# Altium PCB BeagleBone_Black_RevB4.PcbDoc (part 5 of 5)
Units mil, origin at the board's own origin, x right, y up, seen from the top; angles counter-clockwise.
Board outline 3401 x 2151 mil, 6 copper layers (TOP, LYR2_GND, LYR3, LYR4, LYR5_PWR, BOTTOM), stack 62 mil thick; 381 components, 310 nets, 1705 pads, 850 vias.
Unrouted connection lines stored in the file: 3.
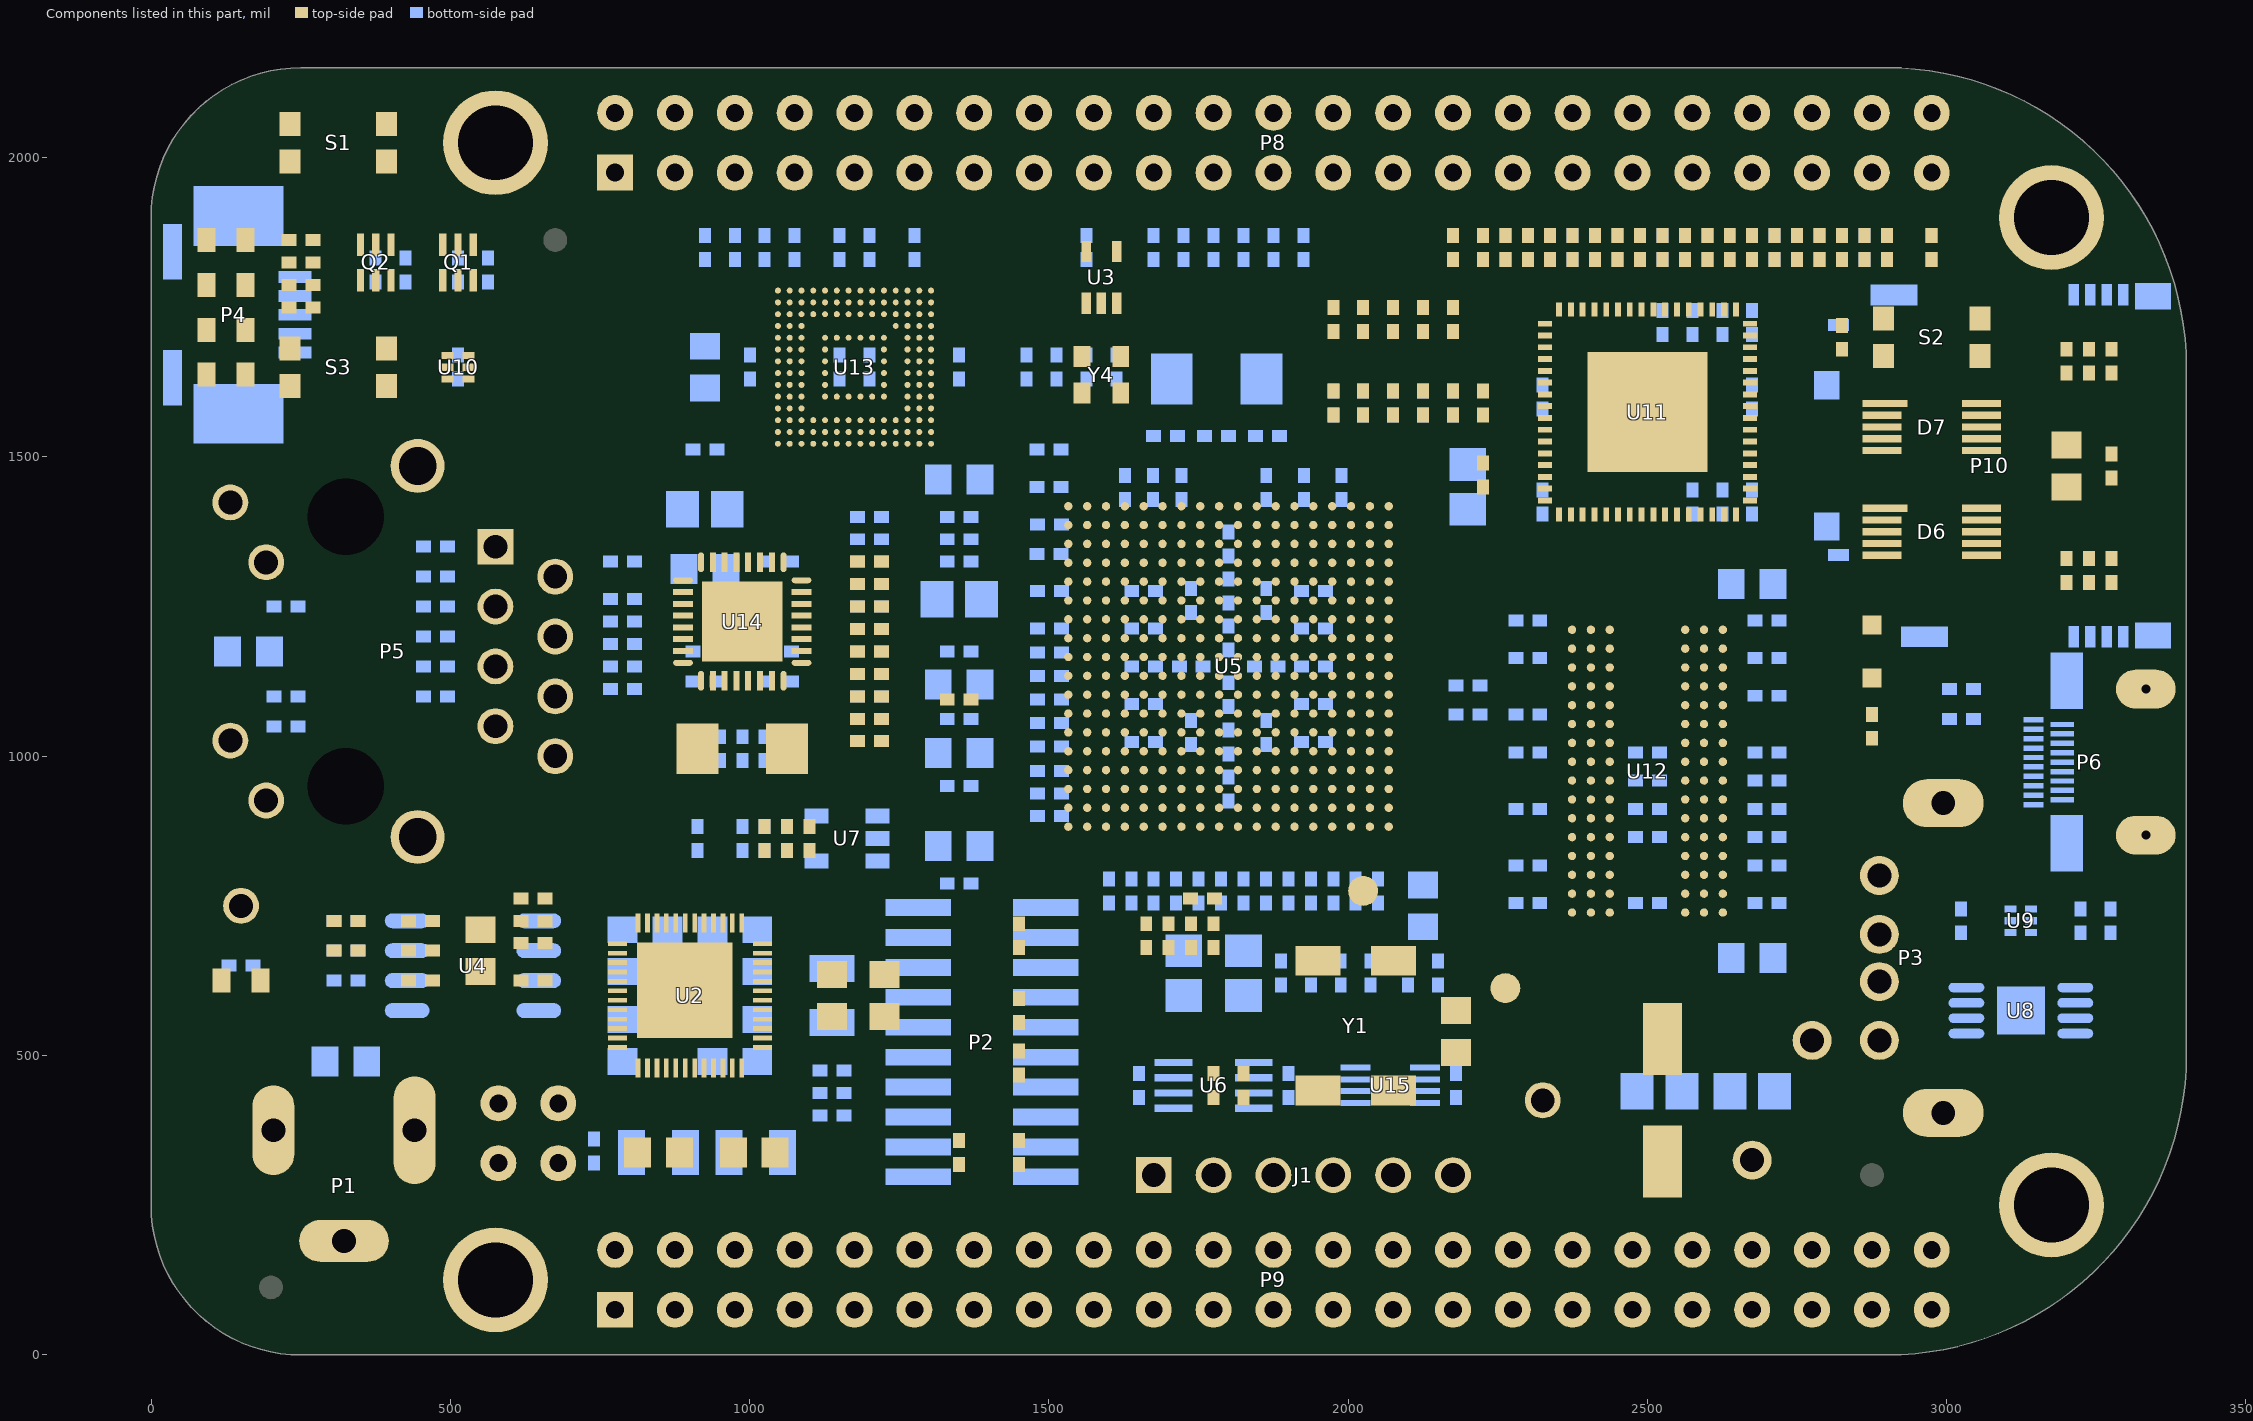
[diagram p9: the components of this part, seen from the top]

## Polygon pours and split planes (outlines as drawn)
no net on Bottom Overlay "Bottom Overlay-No Net" (solid): 47 vertices, not listed, extent 539.79,828.78 590.56,915.78
no net on Bottom Overlay "Bottom Overlay-No Net" (solid): 33 vertices, not listed, extent 603.12,829.78 668.46,915.78
no net on Bottom Overlay "Bottom Overlay-No Net" (solid): 704.91,870.75 ccw(c608.27,870.75) 608.27,967.39 ccw(c608.27,870.75) 511.63,870.75 ccw(c608.27,870.75) 608.27,774.11 ccw(c608.27,870.75) 704.91,870.75
no net on Bottom Overlay "Bottom Overlay-No Net" (solid): 2177.5,492.5 2727.5,492.5 2727.5,617.5 2177.5,617.5 2177.5,492.5
no net on TITLE_BLOCK "TITLE_BLOCK-No Net" (solid): 3550,-50 3450,-50 3450,-150 3400,-150 3400,0 3550,0 3550,-50
no net on TITLE_BLOCK "TITLE_BLOCK-No Net" (solid): 3450,2300 3450,2200 3550,2200 3550,2150 3400,2150 3400,2300 3450,2300
no net on TITLE_BLOCK "TITLE_BLOCK-No Net" (solid): -150,2200 -50,2200 -50,2300 0,2300 0,2150 -150,2150 -150,2200
no net on TITLE_BLOCK "TITLE_BLOCK-No Net" (solid): -50,-150 -50,-50 -150,-50 -150,0 0,0 0,-150 -50,-150
GND_EARTH on BOTTOM "BOTTOM-GND_EARTH" (solid, remove dead copper, pour order 2098): 92 vertices, not listed, extent 25,25 3375,2125
VDDS on BOTTOM "BOTTOM-VDDS 3" (solid, pour order 1441): 107 vertices, not listed, extent 1825,1300 1885,1435
VDDS on BOTTOM "BOTTOM-VDDS 4" (solid, pour order 1442): 212 vertices, not listed, extent 1515,890 1655,1035
VDD_3V3B on BOTTOM "BOTTOM-VDD_3V3B 28" (solid, pour order 2053): 29 vertices, not listed, extent 950,1320.2 1037.5,1437.5
VDD_3V3A on BOTTOM "BOTTOM-VDD_3V3A 24" (solid, pour order 2120): 111 vertices, not listed, extent 1650,1300 1710,1435
VDD_3V3A on BOTTOM "BOTTOM-VDD_3V3A 25" (solid, pour order 2121): 236 vertices, not listed, extent 1890,1300 1998.29,1435
VDD_3V3A on BOTTOM "BOTTOM-VDD_3V3A 26" (solid, pour order 2123): 96 vertices, not listed, extent 1520,1085 1650,1170
VDD_PLL on BOTTOM "BOTTOM-VDD_PLL" (solid, pour order 2296): 167 vertices, not listed, extent 1870,790 1920,1000
VDD_PLL on BOTTOM "BOTTOM-VDD_PLL 1" (solid, pour order 2298): 76 vertices, not listed, extent 1711.26,1300 1775,1435
VDD_PLL on BOTTOM "BOTTOM-VDD_PLL 2" (solid, pour order 2299): 62 vertices, not listed, extent 1515,1065 1615,1110
GND_OSC0 on BOTTOM "BOTTOM-GND_OSC0" (solid, pour order 2604): 31 vertices, not listed, extent 1640,1530 1920,1700
DGND on BOTTOM "BOTTOM-DGND" (solid, pour order 2617): 1625,1200 1630,1205 1630,1220 1650,1220 1650,1205 1660,1195 1660,1170 1650,1160 1650,1145 1625,1145 1625,1200
DGND on BOTTOM "BOTTOM-DGND 1" (solid, pour order 2618): 46 vertices, not listed, extent 770,472.5 1035,642.5
GND_OSC1 on TOP "TOP-GND_OSC1" (solid, pour order 2562): 169 vertices, not listed, extent 1900,390 2125,710
VDD_5V on TOP "TOP-VDD_5V" (solid, pour order 2318): 430,360 410,380 410,528.88 430,548.88 758.4,548.9 758.4,540.9 752.3,540.9 691.45,480 530,480 510,460 510,380 490,360
GND_EARTH on TOP "TOP-GND_EARTH" (solid, remove dead copper, pour order 2089): 91 vertices, not listed, extent 25,25 3375,2125
VDCDC1 on TOP "TOP-VDCDC1" (solid, pour order 1461): 18 vertices, not listed, extent 780,375 911.8,479.82
VDD_MPU on TOP "TOP-VDD_MPU 6" (solid, pour order 2144): 992.5,462.5 985,462.5 985,487.5 1012.5,487.5 1045,455 1100,455 1100,440 1075,415 1075,340 1065,330 1035,330 1020,345 1020,435 992.5,462.5
P_L3 on TOP "TOP-P_L3" (solid, pour order 2228): 18 vertices, not listed, extent 1020,600 1160,700
P_L2 on TOP "TOP-P_L2" (solid, pour order 2246): 970,375 960,385 960,420 965,425 965,439.42 966.14,440.56 966.14,452.36 970.25,456.48 973.52,456.48 1005,425 1005,385 995,375 970,375
P_L1 on TOP "TOP-P_L1" (solid, pour order 2268): 935,437.5 935,385 925,375 880,375 870,385 870,395 875,400 890,400 912.76,422.76 912.76,435.26 925,447.5 935,437.5
VDD_CORE on TOP "TOP-VDD_CORE" (solid, pour order 2466): 28 vertices, not listed, extent 1020,500 1240,584.72
DGND on TOP "TOP-DGND" (solid, pour order 2619): 21 vertices, not listed, extent 1525,1550 1650,1720
VDD_CORE on LYR3 "LYR3-VDD_CORE" (solid, pour order 2465): 810 vertices, not listed, extent 1260,940 1945,1325
VDDS_DDR on LYR3 "LYR3-VDDS_DDR" (solid, pour order 1574): 382 vertices, not listed, extent 725,100 2375,340
VDD_MPU on LYR3 "LYR3-VDD_MPU" (solid, pour order 2143): 375 vertices, not listed, extent 1410,820 1790,1064.98
VDD_1V8 on LYR3 "LYR3-VDD_1V8" (solid, pour order 2377): 134 vertices, not listed, extent 1290,1270 1660,1360
VRTC on LYR3 "LYR3-VRTC" (solid, pour order 2541): 104 vertices, not listed, extent 1855,815 1945,970
VDD_3V3A on LYR5_PWR "LYR5_PWR-VDD_3V3A" (solid, pour order 2106): 77 vertices, not listed, extent 840,210 2890,1865
VRTC on LYR5_PWR "LYR5_PWR-VRTC" (solid, remove dead copper, pour order 2128): 1855,810 1865,800 1950,800 1970,820 1970,962.5 1957.5,975 1865,975 1855,965
VDDS on LYR5_PWR "LYR5_PWR-VDDS 2" (solid, remove dead copper, pour order 2126): 1630,985 1635,980 1665,980 1695,1010 1840,1010 1845,1015 1845,1050 1820,1075 1685,1075 1670,1060 1670,1040 1630,1000
VDD_PLL on LYR5_PWR "LYR5_PWR-VDD_PLL" (solid, remove dead copper, pour order 2124): 19 vertices, not listed, extent 1600,985 1935,1140
HDMI_1V8 on LYR5_PWR "LYR5_PWR-HDMI_1V8" (solid, pour order 2122): 2130,1370 2130,1755 2140,1765 2330,1765 2365,1800 2675,1800 2710,1765 2760,1765 2770,1755 2770,1370 2760,1360 2140,1360
VDD_1V8 on LYR5_PWR "LYR5_PWR-VDD_1V8 1" (solid, pour order 2119): 17 vertices, not listed, extent 1040,680 1330,1350
VDD_PHYA on LYR5_PWR "LYR5_PWR-VDD_PHYA" (solid, remove dead copper, pour order 2117): 21 vertices, not listed, extent 75,875 920,1475
VDDS_DDR on LYR5_PWR "LYR5_PWR-VDDS_DDR" (solid, pour order 2114): 19 vertices, not listed, extent 1945,212.5 2775,1350
VDD_1V8 on LYR5_PWR "LYR5_PWR-VDD_1V8" (solid, pour order 2111): 1760,550 1760,990 1770,1000 1840,1000 1845,995 1845,805 1860.5,789.5 1925.5,789.5 1935,780 1935,550 1925,540 1770,540
SYS_5V on LYR5_PWR "LYR5_PWR-SYS_5V" (solid, pour order 2109): 29 vertices, not listed, extent 1025,50 3312.5,962.5
VDD_3V3B on LYR5_PWR "LYR5_PWR-VDD_3V3B" (solid, remove dead copper, pour order 2104): 87 vertices, not listed, extent 75,50 3312.5,2100
GND_EARTH on LYR5_PWR "PWR-GND_EARTH" (solid, pour order 2096): 91 vertices, not listed, extent 25,25 3375,2125
VDDS on LYR4 "LYR4-VDDS" (solid, pour order 1440): 569 vertices, not listed, extent 1800,945 1945,1369.98
VDD_PLL on LYR4 "LYR4-VDD_PLL" (solid, pour order 2297): 157 vertices, not listed, extent 1510,1065 1619.98,1250
VDD_1V8 on LYR4 "LYR4-VDD_1V8" (solid, pour order 2376): 1247 vertices, not listed, extent 1565,980 2170,1440
DGND on LYR2_GND "GND-DGND" (solid, remove dead copper, pour order 2101): 77 vertices, not listed, extent 75,50 3312.5,2100
GND_EARTH on LYR2_GND "GND-GND_EARTH" (solid, pour order 2091): 91 vertices, not listed, extent 25,25 3375,2125

## Keep-outs
TOP:
  circle w1: c675,1862.5 r62.5
  circle w1: c2875,300 r62.5
  circle w1: c200,112.5 r62.5
BOTTOM:
  circle w1: c2875,300 r62.5
  circle w1: c675,1862.5 r62.5
  circle w1: c200,112.5 r62.5

## Other copper
TOP:
  rectangle net GND_EARTH: 3325,1637.5 3375,1657.5
  text "LAYER 1" at 1000,-700 h55
  text "COMPONENT" at 1000,-800 h55
LYR2_GND:
  rectangle net GND_EARTH: 3325,1637.5 3375,1657.5
  text "LAYER 2" at 1000,-700 h55
  text "GROUND" at 1000,-800 h55
LYR3:
  text "LAYER 3" at 1000,-700 h55
  text "SIGNAL" at 1000,-800 h55
LYR4:
  text "LAYER 4" at 1000,-700 h55
  text "SIGNAL" at 1000,-800 h55
LYR5_PWR:
  rectangle: 3325,1637.5 3375,1657.5
  text "LAYER 5" at 1000,-700 h55
  text "POWER" at 1000,-800 h55
BOTTOM:
  rectangle net GND_EARTH: 45,1884.5 81,1952.9
  rectangle net GND_EARTH: 3325,1645 3375,1665
  text "PCB RevB4" at 87.5,212.5 h40 r270
  text "LAYER 6" at 1000,-700 h55
  text "SOLDER" at 1000,-800 h55
Multi-Layer:
  lines w1: 343.7,-768.7 275,-700 364.5,-610.5 ; 346.8,-864.2 ccw(c357.67,-864.2) 349.9,-871.8 ; 347,-864.2 347,-756.2 ; 347,-862.5 347,-756.2 ; 350,-871.7 374.5,-896.5 ; 374.4,-896.6 ccw(c390.5,-880.26) 390.5,-903.2 ; 378.2,-803 425,-850 575,-700 425,-550 386.5,-588.5 ; 390,-903 462.5,-903 390.5,-903 ; 425,-903 425,-950 ; 425,-871.7 425,-643.7 ; 425,-609.2 425,-515.5 ; 425,-484.2 425,-450 ; 434.5,-609.2 453,-609.2 ; 437.5,-640.5 453,-640.5 ; 453,-515.7 ccw(c453,-500) 468.7,-500 ccw(c453,-500) 453,-484.3 ; 462.5,-903.2 ccw(c462.5,-887.5) 478.2,-887.5 ccw(c462.5,-887.5) 462.5,-871.8 ; 175,-700 675,-700 ; 175,-700 425,-450 ; 175,-700 425,-950 ; 347,-756.2 368.7,-734.2 ; 347,-756.2 368.7,-734.2 ; 368.7,-734.2 378.2,-734.2 ; 368.7,-734.2 378.2,-734.2 ; 378.2,-856.2 378.2,-734.2 ; 378.2,-856.2 393.7,-871.7 ; 378.2,-856.2 393.7,-871.7 ; 378.2,-856.2 378.2,-734.2 ; 378.2,-581.2 378.2,-543.7 ; 378.2,-581.2 406.2,-609.2 ; 378.2,-581.2 378.2,-543.7 ; 378.2,-581.2 406.2,-609.2 ; 378.2,-543.7 406.2,-515.5 ; 378.2,-543.7 406.2,-515.5 ; 393.7,-871.7 462.5,-871.7 393.7,-871.7 ; 406.2,-609.2 453,-609.2 ; 406.2,-609.2 453,-609.2 ; 406.2,-515.5 453,-515.5 406.2,-515.5 ; 425,-950 675,-700 ; 425,-450 675,-700 ; 453,-640.5 403.2,-640.5 453,-640.5 ; 468.7,-625 cw(c453,-625) 453,-640.7 ccw(c453,-625) 468.7,-625 ; 468.7,-625 ccw(c453,-625) 453,-609.3 cw(c453,-625) 468.7,-625 ; 346.8,-589.2 ccw(c357.67,-589.2) 349.9,-596.8 cw(c357.67,-589.2) 346.8,-589.2 ; 346.8,-540.5 cw(c369.74,-540.5) 353.4,-524.4 ccw(c369.74,-540.5) 346.8,-540.5 ; 347,-589.2 347,-540.5 347,-589.2 ; 350,-700 425,-625 500,-700 425,-775 350,-700 ; 350,-596.7 387.2,-634 350,-596.7 ; 353.5,-524.5 387.5,-490.5 353.5,-524.5 ; 387.1,-634.1 ccw(c403.2,-617.76) 403.2,-640.7 cw(c403.2,-617.76) 387.1,-634.1 ; 387.6,-490.6 cw(c402.5,-505.75) 402.5,-484.5 ccw(c402.5,-505.75) 387.6,-490.6 ; 402.5,-484.2 453,-484.2 402.5,-484.2
  lines w20: -5.1,-1127.9 3419.9,-1127.9 ; -5.1,-1127.9 -5.1,-302.9 ; -5.1,-1127.9 3419.9,-1127.9 ; -5.1,-1127.9 -5.1,-302.9 ; -5.1,-302.9 3419.9,-302.9 ; -5.1,-302.9 3419.9,-302.9 ; 3419.9,-1127.9 3419.9,-302.9 ; 3419.9,-1127.9 3419.9,-302.9 ; 894.9,-1127.9 894.9,-302.9 894.9,-1127.9 ; 894.9,-852.9 3419.9,-852.9 894.9,-852.9 ; 894.9,-577.9 3419.9,-577.9 894.9,-577.9 ; 1669.9,-852.9 1669.9,-577.9 1669.9,-852.9
  lines w30: 275,-762.5 362.5,-762.5 362.5,-700 425,-637.5 487.5,-700 487.5,-762.5 562.5,-762.5 ; 312.5,-762.5 262.5,-762.5 225,-725 225,-675 262.5,-637.5 312.5,-637.5 ; 362.5,-725 487.5,-725 ; 512.5,-637.5 550,-637.5 ; 537.5,-762.5 537.5,-637.5 587.5,-637.5 625,-675 625,-725 587.5,-762.5 537.5,-762.5
  text "Circuit Co." at 994.9,-502.9 h100
  text "Circuit Co." at 994.9,-502.9 h100
  text "BeagleBone Black Rev B4" at 1725,-750 h75
  text "BeagleBone Black Rev B4" at 1725,-750 h75
  text "DATE:" at 1025,-1055 h100
  text "DATE:" at 1025,-1055 h100
  text "04/02/2013" at 1600,-1055 h100
  text "04/02/2013" at 1600,-1055 h100

## Silkscreen, mask and mechanical layers (free items; w line width, h text height)
Top Overlay:
  lines w5: 1175,0 1175,37.5 ; 1175,212.5 1175,250 ; 1175,1900 1175,1937.5 ; 1175,2112.5 1175,2150 ; 1250,1075 1300,1125 ; 1250,1300 1300,1350 ; 1675,0 1675,37.5 ; 1675,212.5 1675,250 ; 1675,1900 1675,1937.5 ; 1675,2112.5 1675,2150 ; 2175,0 2175,37.5 ; 2175,212.5 2175,250 ; 2175,1900 2175,1937.5 ; 2175,2112.5 2175,2150 ; 2675,0 2675,37.5 ; 2675,212.5 2675,250 ; 2675,1900 2675,1937.5 ; 2675,2112.5 2675,2150
  text "RESET" at 290,2095 h28
  text "USER LEDS" at 15,1915 h28
  text "0" at 25,1830 h28
  text "1" at 25,1755 h28
  text "2" at 25,1680 h28
  text "3" at 25,1605 h28
  text "POWER" at 295,1550 h28
  text "USB" at 25,1525 h40
  text "AM335x" at 1870,1455 h40
  text "microSD Card" at 3375,1255 h40 r90
  text "HDMI" at 3225,987.5 h40
  text "10/100 Ethernet" at 820,875 h40 r90
  text "PWR" at 62.5,587.5 h28 r90
  text "USB Host" at 3065,355 h40
  text "TSLK" at 1000,-750 h80
  text "TSLKC" at 1000,-750 h80
Bottom Overlay:
  drawing of 2121 lines, arcs and shapes, not listed
  text "S/N" at 2850,570 h40
  text "BSLK" at 1000,-750 h80
  text "BSLKC" at 1000,-750 h80
Top Solder:
  text "SMC" at 1000,-750 h80
Bottom Solder:
  text "SMS" at 1000,-750 h80
FAB:
  drawing of 1884 lines, arcs and shapes, not listed
  text "DRILL CHART: TOP to BOTTOM" at 320,6027.5 h125
  text "ALL UNITS ARE IN MILS" at 795,5847.5 h100
  text "FIGURE" at -925,5712.5 h100
  text "SIZE" at 265,5712.5 h100
  text "TOLERANCE" at 1575,5712.5 h100
  text "PLATED" at 2955,5712.5 h100
  text "QTY" at 3885,5712.5 h100
  text "6.0" at 260,5527.5 h125
  text "+3.0/-3.0" at 1470,5527.5 h125
  text "PLATED" at 2880,5527.5 h125
  text "27" at 3890,5527.5 h125
  text "8.0" at 260,5317.5 h125
  text "+3.0/-3.0" at 1470,5317.5 h125
  text "PLATED" at 2880,5317.5 h125
  text "794" at 3840,5317.5 h125
  text "12.0" at 210,5107.5 h125
  text "+3.0/-3.0" at 1470,5107.5 h125
  text "PLATED" at 2880,5107.5 h125
  text "30" at 3890,5107.5 h125
  text "30.0" at 210,4897.5 h125
  text "+3.0/-3.0" at 1470,4897.5 h125
  text "PLATED" at 2880,4897.5 h125
  text "96" at 3890,4897.5 h125
  text "40.0" at 210,4687.5 h125
  text "+3.0/-3.0" at 1470,4687.5 h125
  text "PLATED" at 2880,4687.5 h125
  text "26" at 3890,4687.5 h125
  text "63.0" at 210,4477.5 h125
  text "+3.0/-3.0" at 1470,4477.5 h125
  text "PLATED" at 2880,4477.5 h125
  text "2" at 3940,4477.5 h125
  text "125.0" at 160,4267.5 h125
  text "+3.0/-3.0" at 1470,4267.5 h125
  text "PLATED" at 2880,4267.5 h125
  text "4" at 3940,4267.5 h125
  text "128.0" at 160,4057.5 h125
  text "+5.0/-5.0" at 1470,4057.5 h125
  text "NON-PLATED" at 2680,4057.5 h125
  text "2" at 3940,4057.5 h125
  text "50.0x15.0" at -40,3847.5 h125
  text "+3.0/-3.0" at 1470,3847.5 h125
  text "PLATED" at 2880,3847.5 h125
  text "2" at 3940,3847.5 h125
  text "95.0x40.0" at -40,3637.5 h125
  text "+3.0/-3.0" at 1470,3637.5 h125
  text "PLATED" at 2880,3637.5 h125
  text "2" at 3940,3637.5 h125
  text "120.0x40.0" at -90,3427.5 h125
  text "+3.0/-3.0" at 1470,3427.5 h125
  text "PLATED" at 2880,3427.5 h125
  text "1" at 3940,3427.5 h125
  text "120.0x40.0" at -90,3217.5 h125
  text "+3.0/-3.0" at 1470,3217.5 h125
  text "PLATED" at 2880,3217.5 h125
  text "1" at 3940,3217.5 h125
  text "140.0x40.0" at -90,3007.5 h125
  text "+3.0/-3.0" at 1470,3007.5 h125
  text "PLATED" at 2880,3007.5 h125
  text "1" at 3940,3007.5 h125
  text "APPROVED" at 11530.1,-7272.1 h100
  text "CIRCUITCO." at 14994.9,-7452.9 h175
  text "CIRCUITCO." at 14994.9,-7452.9 h175
  text "CHECKED" at 11530.1,-7522.1 h100
  text "CalCad" at 12910,-7770 h100
  text "CalCad" at 12910,-7770 h100
  text "DRAFTING" at 11530.1,-7772.1 h100
  text "DATE" at 8505.1,-8022.1 h100
  text "ENGR" at 11530.1,-8022.1 h100
  text "04/02/13" at 9950,-8025 h100
  text "04/02/13" at 9950,-8025 h100
  text "FABRICATION DRAWING," at 14094.9,-8052.9 h150
  text "FABRICATION DRAWING," at 14094.9,-8052.9 h150
  text "DESIGN ENGR" at 8505.1,-8272.1 h100
  text "BeagleBone Black" at 14094.9,-8352.9 h150
  text "BeagleBone Black" at 14094.9,-8352.9 h150
  text "PROJECT ENGR" at 8505.1,-8522.1 h100
  text "ENGR MGR" at 8505.1,-8772.1 h100
  text "NONE" at 14880.1,-8772.1 h100
  text "PCB REV B4" at 16394.9,-8952.9 h150
  text "PCB REV B4" at 16394.9,-8952.9 h150
  text "NEXT ASSEMBLY" at 9230.1,-9022.1 h100
  text "1 OF 1" at 14880.1,-9022.1 h100
ASSY:
  drawing of 15196 lines, arcs and shapes, not listed
  text "RESET" at -9928,9502.64 h80
  text "2" at -8338,9372.64 h80
  text "46" at 1062,9372.64 h80
  text "46" at 4858.68,9372.64 h80
  text "2" at 14368.68,9372.64 h80
  text "1" at -9388,9322.64 h80
  text "S1" at -10688,9172.64 h150
  text "P8" at 1062,9122.64 h150
  text "P8" at 4758.68,9122.64 h150
  text "P4" at 16468.68,9002.64 h150
  text "1" at -8338,8922.64 h80
  text "45" at 1062,8922.64 h80
  text "45" at 4858.68,8922.64 h80
  text "1" at 14368.68,8922.64 h80
  text "R72" at -9908,8802.64 h80
  text "USER LEDS" at -11028,8782.64 h80
  text "R95" at 52,8702.64 h80
  text "R103" at 12906.68,8685.32 h80
  text "R73" at -9908,8662.64 h80
  text "P" at -6948,8662.64 h80
  text "A" at -5928,8662.64 h80
  text "D2" at -11048,8592.64 h80
  text "R77" at 15028.68,8552.64 h80 r90
  text "R76" at 15228.68,8552.64 h80 r90
  text "R79" at 15568.68,8552.64 h80 r90
  text "R78" at 15768.68,8552.64 h80 r90
  text "0" at -10988,8442.64 h80
  text "U13" at -7988,8422.64 h150
  text "5" at 16068.68,8402.64 h80
  text "C165" at -4428,8382.64 h80 r90
  text "C57" at -4208,8382.64 h80 r90
  text "R81" at -4068,8382.64 h80 r90
  text "R80" at -3928,8382.64 h80 r90
  text "R84" at -3788,8382.64 h80 r90
  text "R82" at -3648,8382.64 h80 r90
  text "R83" at -3508,8382.64 h80 r90
  text "R85" at -3368,8382.64 h80 r90
  text "R86" at -3228,8382.64 h80 r90
  text "R87" at -3088,8382.64 h80 r90
  text "R88" at -2948,8382.64 h80 r90
  text "R89" at -2808,8382.64 h80 r90
  text "R90" at -2668,8382.64 h80 r90
  text "R91" at -2528,8382.64 h80 r90
  text "R75" at 712,8382.64 h80 r90
  text "C76" at 5658.68,8372.64 h80 r90
  text "C75" at 8508.68,8372.64 h80 r90
  text "C173" at 1012,8362.64 h80 r90
  text "C158" at 10848.68,8362.64 h80 r90
  text "Q1" at -8748,8342.64 h80 r90
  text "P10" at 3788.68,8342.64 h150
  text "Q2" at -9288,8322.64 h80 r90
  text "R101" at 8708.68,8322.64 h80 r90
  text "R105" at 8848.68,8322.64 h80 r90
  text "R102" at 8988.68,8322.64 h80 r90
  text "R110" at 9128.68,8322.64 h80 r90
  text "R106" at 9268.68,8322.64 h80 r90
  text "R109" at 9408.68,8322.64 h80 r90
  text "C125" at 12008.68,8322.64 h80 r90
  text "R162" at 12328.68,8322.64 h80 r90
  text "R104" at 12828.68,8322.64 h80 r90
  text "R107" at 13708.68,8322.64 h80 r90
  text "C171" at 5206,8320.64 h80 r90
  text "D3" at -11048,8292.64 h80
  text "C61" at 212,8222.64 h80
  text "R108" at 13128.68,8202.64 h80
  text "1" at -5328,8182.64 h80
  text "64" at -1788,8182.64 h80
  text "49" at -568,8182.64 h80
  text "S2" at 672,8182.64 h150
  text "1" at -10988,8142.64 h80
  text "U3" at -4528,8142.64 h80
  text "R74" at -9908,8102.64 h80
  text "R92" at -188,8022.64 h80 r90
  text "R93" at -28,8022.64 h80 r90
  text "R94" at 112,8022.64 h80 r90
  text "C126" at 13308.68,8022.64 h80
  text "1" at 1252,8002.64 h80
  text "D4" at -11048,7992.64 h80
  text "1" at -1988,7972.64 h80
  text "Y2" at 9958.68,7972.64 h150
  text "R71" at -9908,7962.64 h80
  text "R150" at 1762,7962.64 h80 r90
  text "R155" at 1912,7962.64 h80 r90
  text "R151" at 2062,7962.64 h80 r90
  text "R111" at 12668.68,7962.64 h80 r90
  text "R70" at 7308.68,7922.64 h80 r90
  text "R69" at 7458.68,7922.64 h80 r90
  text "R68" at 7608.68,7922.64 h80 r90
  text "R67" at 7758.68,7922.64 h80 r90
  text "R66" at 7908.68,7922.64 h80 r90
  text "R65" at 8058.68,7922.64 h80 r90
  text "R64" at 8208.68,7922.64 h80 r90
  text "R63" at 8358.68,7922.64 h80 r90
  text "R62" at 8508.68,7922.64 h80 r90
  text "R61" at 8658.68,7922.64 h80 r90
  text "R60" at 8808.68,7922.64 h80 r90
  text "R58" at 8958.68,7922.64 h80 r90
  text "R57" at 9108.68,7922.64 h80 r90
  text "R59" at 9258.68,7922.64 h80 r90
  text "R55" at 9408.68,7922.64 h80 r90
  text "R56" at 9558.68,7922.64 h80 r90
  text "R167" at 10808.68,7922.64 h80 r90
  text "C159" at 11008.68,7922.64 h80 r90
  text "R160" at 11208.68,7922.64 h80 r90
  text "2" at -10988,7842.64 h80
  text "R45" at -3768,7842.64 h80 r90
  text "R46" at -3608,7842.64 h80 r90
  text "C168" at -3448,7842.64 h80 r90
  text "C167" at -3288,7842.64 h80 r90
  text "C156" at -2168,7842.64 h80 r90
  text "1" at -9388,7822.64 h80
  text "C149" at 6248.68,7782.64 h80 r90
  text "R149" at 6408.68,7782.64 h80 r90
  text "D5" at -11048,7692.64 h80
  text "Y4" at -4448,7622.64 h80
  text "1" at 16068.68,7622.64 h80
  text "R157" at -128,7602.64 h80
  text "3" at -10988,7542.64 h80
  text "R161" at 11568.68,7522.64 h80 r90
  text "C130" at 12008.68,7522.64 h80 r90
  text "C129" at 12308.68,7522.64 h80 r90
  text "C128" at 12828.68,7522.64 h80 r90
  text "C127" at 13108.68,7522.64 h80 r90
  text "U10" at -9188,7422.64 h80
  text "C148" at 7066,7420.64 h80 r90
  text "C146" at 7266,7420.64 h80 r90
  text "R134" at 12648.68,7342.64 h80
  text "POWER" at -9908,7322.64 h80
  text "C164" at 9508.68,7322.64 h80 r90
  text "C150" at 6726,7320.64 h80 r90
  text "C144" at 7826,7320.64 h80 r90
  text "S3" at -10268,7282.64 h150
  text "R48" at -3928,7282.64 h80 r90
  text "R47" at -3768,7282.64 h80 r90
  text "C166" at -3608,7282.64 h80 r90
  text "C157" at -3448,7282.64 h80 r90
  text "C160" at -3288,7282.64 h80 r90
  text "C163" at -1968,7282.64 h80 r90
  text "C172" at 8408.68,7272.64 h80 r90
  text "R158" at 11058.68,7272.64 h80
  text "R159" at 13208.68,7262.64 h80
  text "C154" at 2052,7242.64 h80 r90
  text "C36" at 15208.68,7242.64 h80 r90
  text "USB" at -10988,7222.64 h150
  text "C26" at 10628.68,7222.64 h80
  text "R145" at 12648.68,7222.64 h80
  text "C25" at 9348.68,7182.64 h80
  text "14" at -5348,7162.64 h80
  text "C77" at 11668.68,7162.64 h80
  text "P5" at -8448,7142.64 h150
  text "R113" at 12648.68,7102.64 h80
  text "C58" at 10388.68,7082.64 h80
  text "R129" at 13868.68,7082.64 h80
  text "D7" at -38,7072.64 h150
  text "C151" at 6488.68,7022.64 h80
  text "C71" at 11088.68,7002.64 h80
  text "R138" at 12648.68,6982.64 h80
  text "U5" at -5088,6942.64 h150
  text "AM335x" at -3608,6942.64 h150
  text "FB4" at 13368.68,6942.64 h80
  text "R123" at 13868.68,6942.64 h80
  text "C153" at 1532,6922.64 h80 r90
  text "C170" at 8808.68,6872.64 h80 r90
  text "C162" at 8958.68,6872.64 h80 r90
  text "C161" at 9108.68,6872.64 h80 r90
  text "R17" at 10108.68,6862.64 h80 r90
  text "R115" at 12648.68,6862.64 h80
  text "C169" at -2288,6802.64 h80 r90
  text "C68" at 9428.68,6802.64 h80 r90
  text "C81" at 9928.68,6802.64 h80 r90
  text "C80" at 10885.6,6802.64 h80 r90
  text "R122" at 13868.68,6802.64 h80
  text "C106" at 10228.68,6762.64 h80 r90
  text "1" at -8788,6742.64 h80
  text "16" at -2028,6742.64 h80
  text "33" at -348,6742.64 h80
  text "C86" at 11088.68,6742.64 h80
  text "R112" at 12648.68,6742.64 h80
  text "V" at -2688,6722.64 h80
  text "C67" at 11388.68,6662.64 h80
  text "R121" at 13868.68,6662.64 h80
  text "R148" at 6368.68,6642.64 h80 r90
  text "C147" at 7108.68,6642.64 h80 r90
  text "C145" at 7808.68,6642.64 h80 r90
  text "R114" at 12648.68,6622.64 h80
  text "C137" at 15108.68,6622.64 h80
  text "U14" at -7348,6542.64 h150
  text "R119" at -6488,6522.64 h80
  text "R139" at -5888,6522.64 h80
  text "17" at -1788,6522.64 h80
  text "32" at -588,6522.64 h80
  text "C38" at 11388.68,6522.64 h80
  text "R120" at 13868.68,6522.64 h80
  text "R117" at 12648.68,6502.64 h80
  text "C118" at 6308.68,6442.64 h80
  text "U11" at -1338,6422.64 h150
  text "C74" at 9308.68,6422.64 h80 r90
  text "C56" at 9928.68,6422.64 h80 r90
  text "R49" at 10788.68,6422.64 h80
  text "R133" at -5888,6372.64 h80
  text "D6" at -38,6372.64 h150
  text "C43" at 9788.68,6362.64 h80 r90
  text "C94" at 10328.68,6362.64 h80 r90
  text "C78" at 11388.68,6362.64 h80
  text "FB5" at 8458.68,6322.64 h80 r90
  text "C41" at 10448.68,6302.64 h80
  text "C73" at 9328.68,6292.64 h80
  text "C138" at 15588.68,6272.64 h80
  text "R128" at -5888,6222.64 h80
  text "C135" at 12808.68,6202.64 h80
  text "U12" at -1338,6172.64 h150
  text "C84" at 10788.68,6172.64 h80
  text "microSD Card" at 2412,6142.64 h150 r90
  text "C42" at 9928.68,6122.64 h80 r90
  text "C133" at 13308.68,6082.64 h80
  text "R127" at -5888,6072.64 h80
  text "C139" at 15588.68,6072.64 h80
  text "FB1" at 11508.68,6062.64 h80 r90
  text "R132" at 16568.68,6062.64 h80
  text "C97" at 9328.68,6042.64 h80
  text "C66" at 10448.68,6042.64 h80
  text "C107" at 8268.68,5982.64 h80
  text "C114" at 6688.68,5962.64 h80
  text "C136" at 12808.68,5942.64 h80
  text "C132" at 13308.68,5932.64 h80
  text "C87" at 10785.68,5924.64 h80
  text "R126" at -5888,5922.64 h80
  text "C51" at 11688.68,5922.64 h80
  text "A" at -1942,5885.64 h80
  text "C141" at 15588.68,5872.64 h80
  text "R154" at 1762,5852.64 h80 r90
  text "R153" at 1912,5852.64 h80 r90
  text "R152" at 2062,5852.64 h80 r90
  text "C47" at 9928.68,5802.64 h80 r90
  text "C46" at 10148.68,5802.64 h80
  text "C65" at 10448.68,5802.64 h80
  text "C98" at 9328.68,5792.64 h80
  text "R125" at -5888,5772.64 h80
  text "C45" at 10785.68,5767.16 h80
  text "D8" at 592,5762.64 h80
  text "C108" at 8268.68,5762.64 h80
  text "C115" at 6688.68,5722.64 h80
  text "R137" at 15588.68,5672.64 h80
  text "C" at -1942,5633.64 h80
  text "R124" at -5888,5622.64 h80
  text "C69" at 10788.68,5622.64 h80
  text "R136" at 17088.68,5602.64 h80 r90
  text "R98" at 7008.68,5542.64 h80
  text "R22" at 8628.68,5542.64 h80
  text "C99" at 9328.68,5542.64 h80
  text "C48" at 9608.68,5542.64 h80
  text "C60" at 10448.68,5542.64 h80
  text "R147" at 5308.68,5522.64 h80
  text "C109" at 7808.68,5482.64 h80
  text "C40" at 11528.68,5482.64 h80 r90
  text "R116" at 12568.68,5472.64 h80
  text "R130" at 16568.68,5462.64 h80
  text "C79" at 10785.68,5452.16 h80
  text "19" at 4708.68,5432.64 h80
  text "C134" at 12908.68,5422.64 h80
  text "C131" at 13308.68,5412.64 h80
  text "C49" at 10188.68,5402.64 h80 r90
  text "C123" at 7008.68,5382.64 h80
  text "C28" at 8628.68,5382.64 h80
  text "R144" at 13848.68,5382.64 h80
  text "E" at -1942,5381.64 h80
  text "R146" at 5308.68,5322.64 h80
  text "C116" at 6208.68,5322.64 h80
  text "C52" at 11388.68,5322.64 h80
  text "R131" at 12568.68,5322.64 h80
  text "C70" at 10448.68,5302.64 h80
  text "C140" at 15108.68,5302.64 h80
  text "C54" at 10785.68,5294.64 h80
  text "C100" at 9278.68,5292.64 h80
  text "R28" at -5848,5282.64 h80
  text "R166" at 512,5282.64 h80
  text "18" at 4128.68,5282.64 h80
  text "R100" at 7008.68,5242.64 h80
  text "R140" at 12568.68,5172.64 h80
  text "C44" at 10785.68,5137.16 h80
  text "G" at -1942,5129.64 h80
  text "C117" at 5788.68,5102.64 h80
  text "C72" at 10188.68,5102.64 h80 r90
  text "R135" at 16108.68,5102.64 h80
  text "HDMI" at 1812,5072.64 h150
  text "R118" at -6488,5022.64 h80
  text "C39" at 11528.68,5022.64 h80 r90
  text "C82" at 10785.68,4972.64 h80
  text "C110" at 7808.68,4942.64 h80
  text "C143" at 13768.68,4932.64 h80 r90
  text "R142" at 13918.68,4932.64 h80 r90
  text "R141" at 14068.68,4932.64 h80 r90
  text "R143" at 14218.68,4932.64 h80 r90
  text "C142" at 14368.68,4932.64 h80 r90
  text "C119" at 5788.68,4902.64 h80
  text "C53" at 11388.68,4882.64 h80
  text "J" at -1942,4877.64 h80
  text "C50" at 9788.68,4842.64 h80 r90
  text "C63" at 10328.68,4842.64 h80 r90
  text "C83" at 10785.68,4822.16 h80
  text "C88" at 10188.68,4782.64 h80 r90
  text "2" at 4248.68,4762.64 h80
  text "R96" at 5788.68,4722.64 h80
  text "C111" at 8268.68,4722.64 h80
  text "Y3" at -7628,4662.64 h150
  text "1" at 4708.68,4632.64 h80
  text "L" at -1942,4625.64 h80
  text "10/100 Ethernet" at -7808,4622.64 h150 r90
  text "A" at -2688,4572.64 h80
  text "C85" at 11088.68,4542.64 h80
  text "R99" at 5788.68,4522.64 h80
  text "C112" at 7808.68,4482.64 h80
  text "R1" at 13768.68,4482.64 h80 r90
  text "C101" at 9058.68,4422.64 h80 r90
  text "R54" at 9208.68,4422.64 h80 r90
  text "R26" at 9358.68,4422.64 h80 r90
  text "C104" at 9508.68,4422.64 h80 r90
  text "C92" at 9658.68,4422.64 h80 r90
  text "C105" at 9808.68,4422.64 h80 r90
  text "C89" at 9958.68,4422.64 h80 r90
  text "C91" at 10108.68,4422.64 h80 r90
  text "C90" at 10258.68,4422.64 h80 r90
  text "C59" at 10408.68,4422.64 h80 r90
  text "R20" at 10558.68,4422.64 h80 r90
  text "R19" at 10708.68,4422.64 h80 r90
  text "R51" at 10858.68,4422.64 h80 r90
  text "1" at -2848,4402.64 h80
  text "C62" at 11508.68,4382.64 h80 r90
  text "N" at -1942,4373.64 h80
  text "18" at -5088,4372.64 h80
  text "C124" at 7008.68,4362.64 h80
  text "C152" at 13028.68,4362.64 h80 r90
  text "R156" at 13448.68,4362.64 h80 r90
  text "C120" at 5788.68,4322.64 h80
  text "C3" at -8628,4262.64 h80
  text "R27" at -4208,4262.64 h80
  text "P6" at 3728.68,4242.64 h150
  text "R97" at 7068.68,4222.64 h80
  text "C64" at 11328.68,4222.64 h80
  text "20" at 11128.68,4202.64 h80 r90
  text "R3" at -6928,4182.64 h80 r90
  text "R4" at -6768,4182.64 h80 r90
  text "U9" at 4628.68,4182.64 h80
  text "C13" at 13328.68,4182.64 h80
  text "U2" at -7628,4162.64 h150
  text "TP3" at -3428,4162.64 h80
  text "C19" at -9928,4122.64 h80
  text "R9" at -9368,4122.64 h80
  text "U7" at 12568.68,4122.64 h80
  text "C14" at 13008.68,4122.64 h80
  text "R11" at 15758.68,4122.64 h80
  text "R" at -1942,4121.64 h80
  text "C37" at -6628,4082.64 h80 r90
  text "C121" at 5788.68,4082.64 h80
  text "C95" at 8528.68,3982.64 h80 r90
  text "19" at 12448.68,3982.64 h80 r90
  text "TP4" at -10728,3962.64 h80 r90
  text "1" at -8068,3962.64 h80
  text "C113" at 7808.68,3922.64 h80
  text "L3" at 12558.68,3922.64 h80
  text "R52" at 4008.68,3862.64 h80 r90
  text "C35" at 4528.68,3862.64 h80 r90
  text "R53" at 5328.68,3862.64 h80 r90
  text "C18" at -8228,3842.64 h80 r90
  text "C32" at -4548,3782.64 h80 r90
  text "R50" at -5088,3772.64 h80 r90
  text "1" at -1620,3737.64 h80
  text "3" at -1368,3737.64 h80
  text "7" at -864,3737.64 h80
  text "9" at -612,3737.64 h80
  text "R8" at -9468,3722.64 h80 r90
  text "C122" at 6868.68,3722.64 h80
  text "C16" at -8688,3693.04 h80
  text "C93" at -3788,3682.64 h80 r90
  text "C20" at 16258.68,3672.64 h80 r90
  text "R10" at -9928,3602.64 h80
  text "D1" at -10188,3582.64 h80
  text "C4" at 14358.68,3572.64 h80 r90
  text "TP2" at -1888,3522.64 h80
  text "R12" at 16458.68,3522.64 h80
  text "PWR" at -10838,3472.64 h80 r90
  text "RT1" at -388,3472.64 h150
  text "C31" at -4248,3442.64 h80 r90
  text "C33" at -4088,3442.64 h80 r90
  text "C17" at 15758.68,3422.64 h80
  text "R7" at -9368,3402.64 h80
  text "C1" at -8968,3402.64 h80
  text "R5" at -8628,3402.64 h80
  text "S/N" at 5808.68,3402.64 h150
  text "C11" at -6738,3372.64 h80 r90
  text "C55" at -5888,3372.64 h80 r90
  text "P2" at 10928.68,3362.64 h150 r90
  text "R24" at -5088,3272.64 h80 r90
  text "FB2" at 9768.68,3262.64 h80
  text "FB3" at 10168.68,3262.64 h80
  text "C15" at 13808.68,3242.64 h80 r90
  text "Y1" at -3688,3222.64 h150
  text "C96" at -2188,3222.64 h80
  text "C22" at 9108.68,3122.64 h80 r90
  text "C21" at 9308.68,3122.64 h80 r90
  text "U4" at 14968.68,3122.64 h80
  text "C103" at 8648.68,3102.64 h80 r90
  text "C102" at 8868.68,3102.64 h80 r90
  text "R164" at 9508.68,3082.64 h80 r90
  text "R163" at 9668.68,3082.64 h80 r90
  text "R14" at 12508.68,3082.64 h80
  text "TP5" at -8928,3022.64 h80
  text "TP7" at -8528,3022.64 h80
  text "C10" at 14358.68,3022.64 h80 r90
  text "C2" at 16208.68,3022.64 h80
  text "U8" at 4988.68,3002.64 h150
  text "R23" at -5088,2922.64 h80 r90
  text "C8" at 13058.68,2822.64 h80
  text "C7" at 13458.68,2822.64 h80
  text "C27" at -4090,2795 h80 r90
  text "R18" at 10828.68,2782.64 h80 r90
  text "TP1" at -2288,2772.64 h80
  text "R21" at 9508.68,2762.64 h80 r90
  text "R165" at -3600,2755 h80 r90
  text "C9" at -7808,2672.64 h80
  text "C12" at -7208,2672.64 h80
  text "J1" at -4538,2622.64 h150
  text "FB7" at 6368.68,2602.64 h80
  text "FB8" at 6988.68,2602.64 h80
  text "U15" at 8768.68,2602.64 h80
  text "USB Host" at 1172,2542.64 h150
  text "C155" at 8408.68,2522.64 h80 r90
  text "U6" at 9848.68,2502.64 h80
  text "C24" at 12508.68,2502.64 h80
  text "C30" at 12508.68,2342.64 h80
  text "C29" at -5788,2322.64 h80 r90
  text "R25" at -5088,2322.64 h80 r90
  text "P3" at 762,2322.64 h150
  text "C34" at -1888,2222.64 h150
  text "2" at 10888.68,2222.64 h80
  text "1" at 12348.68,2202.64 h80
  text "L2" at 13078.68,2122.64 h80
  text "L1" at 13728.68,2122.64 h80
  text "R6" at 14308.68,2102.64 h80 r90
  text "TP6" at -8928,2062.64 h80
  text "TP8" at -8528,2062.64 h80
  text "2" at -8338,1772.64 h80
  text "46" at 1062,1772.64 h80
  text "46" at 4858.68,1772.64 h80
  text "2" at 14368.68,1772.64 h80
  text "P1" at -9938,1522.64 h150
  text "P9" at 1062,1522.64 h150
  text "P9" at 4758.68,1522.64 h150
  text "1" at -8338,1372.64 h80
  text "1" at 14368.68,1372.64 h80
  text "45" at 1062,1322.64 h80
  text "45" at 4858.68,1322.64 h80
  text "ASSEMBLY COMPONENT SIDE" at -8000,0 h250
  text "ASSEMBLY COMPONENT SIDE" at -8000,0 h250
  text "ASSEMBLY SOLDER SIDE" at 7500,0 h250
  text "APPROVED" at 11530.1,-7272.1 h100
  text "CIRCUITCO." at 14994.9,-7452.9 h175
  text "CIRCUITCO." at 14994.9,-7452.9 h175
  text "CHECKED" at 11530.1,-7522.1 h100
  text "DRAFTING" at 11530.1,-7772.1 h100
  text "CalCad" at 12775,-7800 h100
  text "CalCad" at 12775,-7800 h100
  text "DATE" at 8505.1,-8022.1 h100
  text "ENGR" at 11530.1,-8022.1 h100
  text "04/02/13" at 9950,-8025 h100
  text "04/02/13" at 9950,-8025 h100
  text "ASSEMBLY DRAWING," at 14094.9,-8052.9 h150
  text "ASSEMBLY DRAWING," at 14094.9,-8052.9 h150
  text "DESIGN ENGR" at 8505.1,-8272.1 h100
  text "BeagleBone Black" at 14094.9,-8352.9 h150
  text "BeagleBone Black" at 14094.9,-8352.9 h150
  text "PROJECT ENGR" at 8505.1,-8522.1 h100
  text "ENGR MGR" at 8505.1,-8772.1 h100
  text "NONE" at 14875,-8775 h100
  text "NONE" at 14875,-8775 h100
  text "NEXT ASSEMBLY" at 9230.1,-9022.1 h100
  text "1 OF 1" at 14880.1,-9022.1 h100
DRAWING_ORIGIN:
  lines w1: -25,0 25,0 ; 0,-25 0,25 ; 14220,-6890 18295,-6890 ; 14975,-6510 17850,-6510 ; 0,250 ccw(c250,250) 250,0 2900,0 ccw(c2900,500) 3400,500 3400,1650 ccw(c2900,1650) 2900,2150 250,2150 ccw(c250,1900) 0,1900 0,250
  text "This work is licensed under the Creative Commons Attribution-Share Alike 3.0 Unported License." at 12580,-6360 h55
  text "This work is licensed under the Creative Commons Attribution-Share Alike 3.0 Unported License." at 12580,-6360 h55
  text "To view a copy of this license, visit http://creativecommons.org/licenses/by-sa/3.0/ or send" at 12580,-6485 h55
  text "To view a copy of this license, visit http://creativecommons.org/licenses/by-sa/3.0/ or send" at 12580,-6485 h55
  text "a letter to Creative Commons, 171 Second Street, Suite 300, San Francisco, California, 94105, USA." at 12580,-6610 h55
  text "a letter to Creative Commons, 171 Second Street, Suite 300, San Francisco, California, 94105, USA." at 12580,-6610 h55
  text "All derivative works are to be attributed to CircuitCo LLC." at 12580,-6735 h55
  text "All derivative works are to be attributed to CircuitCo LLC." at 12580,-6735 h55
  text "For more information, see http://creativecommons.org/license/results-one?license_code=by-sa" at 12580,-6860 h55
  text "For more information, see http://creativecommons.org/license/results-one?license_code=by-sa" at 12580,-6860 h55
DIMENSION:
  lines w1: -1325,150 -1300,0 ; -1325,150 -1275,150 ; -1325,150 -1300,0 ; -1325,150 -1275,150 ; -1325,2000 -1300,2150 ; -1325,2000 -1275,2000 ; -1325,2000 -1300,2150 ; -1325,2000 -1275,2000 ; -1300,0 -1275,150 ; -1300,0 -1300,751 -1300,0 ; -1300,0 -1275,150 ; -1300,2150 -1275,2000 ; -1300,2150 -1300,1449 -1300,2150 ; -1300,2150 -1275,2000 ; -261.72,2436.5 75,2100 ; -261.72,2436.5 -411.72,2436.5 -261.72,2436.5 ; -261.72,2436.5 75,2100 ; -48.77,2188.35 75,2100 ; -48.77,2188.35 -13.43,2223.71 ; -48.77,2188.35 75,2100 ; -48.77,2188.35 -13.43,2223.71 ; -13.43,2223.71 75,2100 ; -13.43,2223.71 75,2100 ; 0,-1350 150,-1325 ; 0,-1350 150,-1375 ; 0,-1350 1301,-1350 0,-1350 ; 0,-1350 150,-1325 ; 0,-1350 150,-1375 ; 150,-1375 150,-1325 ; 150,-1375 150,-1325 ; 3050,-400 3175,-150 ; 3050,-400 3050,-451 3050,-400 ; 3050,-400 3175,-150 ; 3175,-150 3175,150 3175,-150 ; 3225,2050 3561.72,2386.5 ; 3225,2050 3313.43,2173.71 ; 3225,2050 3348.77,2138.35 ; 3225,2050 3561.72,2386.5 ; 3225,2050 3313.43,2173.71 ; 3225,2050 3348.77,2138.35 ; 3250,-1375 3400,-1350 ; 3250,-1375 3250,-1325 ; 3250,-1375 3400,-1350 ; 3250,-1375 3250,-1325 ; 3250,-1325 3400,-1350 ; 3250,-1325 3400,-1350 ; 3313.43,2173.71 3348.77,2138.35 ; 3313.43,2173.71 3348.77,2138.35 ; 3400,-1350 1999,-1350 3400,-1350 ; 3561.72,2386.5 3711.72,2386.5 3561.72,2386.5 ; -1400,0 -700,0 -1400,0 ; -1400,2150 -1100,2150 -1400,2150 ; -471,0 -100,0 -471,0 ; -456,125 475,125 -456,125 ; -451,2025 475,2025 -451,2025 ; -451,2150 150,2150 -451,2150 ; 0,-1450 0,-700 0,-1450 ; 0,-471 0,-100 0,-471 ; 575,-456 575,25 575,-456 ; 3275,250 3906,250 3275,250 ; 3275,1900 3951,1900 3275,1900 ; 3400,-1450 3400,-1100 3400,-1450 ; 3400,-451 3400,400 3400,-451
  lines w8: -12700,5850 -11150,5850 ; -12650,11350 -11600,11350
  lines w9.8: -12633.8,-51.3 -4033.8,-51.3 ; -12633.8,363.7 -4033.8,363.7 ; -12633.8,1233.8 -4033.8,1233.8 ; -12633.8,1533.8 -4033.8,1533.8 ; -12633.8,2033.8 -4033.8,2033.8 ; -12633.5,-52 -12633.8,2433.8 -4033.8,2433.8 -4033.5,-52 ; -12629.1,158.9 -4033.5,159 ; -12629.1,573.9 -4033.5,574 ; -12629.1,778.6 -4033.5,779 ; -12629.1,978.6 -4033.5,979 ; -9877.5,-52 -9877.5,1534 ; -8777.5,-52 -8777.5,2034 ; -7237.5,-52 -7237.5,2034 ; -5657.5,-52 -5657.5,2034
  text "FAB NOTES:" at -12664.5,11401 h100
  text "1. ALL DIMENSIONS ARE IN INCHES, UNLESS" at -12664.5,11151 h100
  text "OTHERWISE NOTED." at -12664.5,10951 h100
  text "2. THE PWB SHALL BE FABRICATED TO IPC-6012," at -12664.5,10701 h100
  text "CLASS 2 AND WORKMANSHIP SHALL CONFORM TO" at -12664.5,10501 h100
  text "IPC-A-600, CLASS 2. CURRENT REVISIONS." at -12664.5,10301 h100
  text "3. BOARD MATERIAL SHALL BE 180 Tg/350 Td ISOLA FR-370HR" at -12664.5,10051 h100
  text "OR EQUIVALENT, RoHS COMPLIANT AND LEAD FREE" at -12664.5,9851 h100
  text "ASSEMBLY CAPABLE.  BOARD MATERIAL SHALL" at -12664.5,9651 h100
  text "MEET OR EXCEED IPC-4101B. COLOR: NATURAL." at -12664.5,9451 h100
  text "4. BOARD MATERIAL & CONSTRUCTION TO BE U.L." at -12664.5,9201 h100
  text "APPROVED AND MARKED ON THE FINISHED BOARD." at -12664.5,9001 h100
  text "5. MINIMUM COPPER WALL THICKNESS OF PLATED-THRU" at -12664.5,8751 h100
  text "HOLES TO BE .001 INCH, WITH A MINIMUM" at -12664.5,8551 h100
  text "ANNULAR RING OF .002 INCH." at -12664.5,8351 h100
  text "6. OVERALL BOARD THICKNESS TO BE .062 +/- 10%" at -12664.5,8051 h100
  text "AND APPLIES AFTER ALL LAMINATION AND PLATING" at -12664.5,7851 h100
  text "PROCESSES, MEASURED FROM COPPER TO COPPER." at -12664.5,7651 h100
  text "7. MAX. WARP & TWIST TO BE .0075 INCHES PER INCH." at -12664.5,7401 h100
  text "8. BOARD MUST BE ELECTRICALLY TESTED USING" at -12664.5,7151 h100
  text "SUPPLIED IPC-D-356 NETLIST." at -12675,6950 h100
  text "9. ALL VIAS TO HAVE SOLDERMASK." at -12775,6700 h100
  text "FINISHED AS SMOOTH WALL BY VEDOR." at -12685,6100 h100
  text "PROCESS NOTES:" at -12683.5,5902 h100
  text "1. PLATE ALL EXPOSED AREAS WITH ELECTROLESS" at -12682.5,5643 h100
  text "IMMERSION GOLD, NICKEL 150 MICROINCHES THK MIN" at -12682.5,5443 h100
  text "GOLD 5-15 MICROINCHES THK MIN." at -12682.5,5243 h100
  text "2. APPLY LPI SOLDERMASK OVER BARE COPPER (SMOBC)," at -12683.5,5002 h100
  text "COLOR: BLACK. SOLDERMASK SHALL CONFIRM TO IPC-SM-840." at -12683.5,4802 h100
  text "CLASS H. CURRENT REV." at -12683.5,4602 h100
  text "3. SOLDERMASK ARTWORK HAS ZERO (0) OVERSIZED PADS." at -12683.5,4352 h100
  text "FABRICATION VENDOR IS ALLOWED TO ADJUST THE COMPONENT" at -12683.5,4152 h100
  text "SOLDERMASK PADS TO MEET THEIR TOOLING REQUIREMENTS." at -12683.5,3952 h100
  text "4. APPLY LPI SILKSCREEN OR EQUIVALENT PER THE ARTWORK." at -12683.5,3702 h100
  text "COLOR: WHITE." at -12683.5,3502 h100
  text "R.250 2X" at -1350,2375 h100
  text "R.500 2X" at 3761.72,2336.5 h100
  text "R.500 2X" at 3761.72,2336.5 h100
  text "LAYER STACK-UP - ALL DIMENSIONS IN INCHES" at -12489,2143.6 h180
  text "2.150" at -1070,2100 h100
  text "2.150" at -1070,2100 h100
  text "2.025" at -1070,1975 h100
  text "2.025" at -1070,1975 h100
  text "50ohm SINGLE ENDED" at -8702.5,1889 h80
  text "100ohm DIFFERENTIAL" at -5587.5,1884 h80
  text "90ohm DIFFERENTIAL" at -7182.5,1874 h80
  text "1.900" at 4030,1850 h100
  text "1.900" at 4030,1850 h100
  text "IMPEDANCE CONTROL" at -8712.5,1754 h80
  text "IMPEDANCE CONTROL" at -5582.5,1744 h80
  text "IMPEDANCE CONTROL" at -7177.5,1734 h80
  text "+/- 10%" at -8707.5,1619 h80
  text "+/- 10%" at -5582.5,1604 h80
  text "+/- 10%" at -7177.5,1594 h80
  text "COPPER WEIGHT" at -9834.1,1398.9 h80
  text "TRACE WIDTH" at -8378.8,1353.8 h80
  text "TRACE WIDTH / SPACE" at -5617.5,1344 h80
  text "LAYER#" at -11533.8,1333.8 h80
  text "TRACE WIDTH / SPACE" at -7212.5,1334 h80
  text "(OZ)" at -9469.1,1298.9 h55
  text "4.75" at -8246.5,1082 h100
  text "3.75/7.25" at -5402.5,1069 h100
  text "HALF+PLATING" at -9803.8,1063.8 h80
  text "4.5/6.5" at -6857.5,1055 h100
  text "LAYER 1 - PRIMARY SIDE - SIGNAL" at -12533.8,1033.8 h80
  text "1" at -9423.8,858.7 h100
  text "LAYER 2 - GROUND PLANE" at -12533.8,833.8 h80
  text "2.150" at -1250,830 h100 r90
  text "2.150" at -1250,830 h100 r90
  text "5.25" at -8255,645 h100
  text "5.0/7.0" at -6845,640 h100
  text "4.00/8.00" at -5377.5,635 h100
  text "1" at -9416.5,627 h100
  text "LAYER 3 - SIGNAL" at -12526.5,617 h80
  text "5.25" at -8246.5,437 h100
  text "1" at -9407.5,430 h100
  text "5.0/7.0" at -6854.5,430 h100
  text "4.00/8.00" at -5372.5,419 h100
  text "LAYER 4 - SIGNAL" at -12526.5,417 h80
  text "1" at -9416.5,212 h100
  text "LAYER 5 - SPLIT POWER PLANE" at -12526.5,202 h80
  text ".250" at 3985,200 h100
  text ".250" at 3985,200 h100
  text ".125" at -965,75 h100
  text ".125" at -965,75 h100
  text "4.75" at -8246.5,22 h100
  text "4.5/6.5" at -6854.5,15 h100
  text "HALF+PLATING" at -9791.5,12 h80
  text "3.75/7.25" at -5372.5,4 h100
  text "LAYER 6 - SECONDARY SIDE - SIGNAL" at -12526.5,2 h80
  text "0" at -650,-50 h100
  text "0" at -650,-50 h100
  text "0" at -50,-650 h100
  text "0" at -50,-650 h100
  text ".575" at 625,-965 h100 r90
  text ".575" at 625,-965 h100 r90
  text "3.175" at 3100,-1070 h100 r90
  text "3.175" at 3100,-1070 h100 r90
  text "3.400" at 3450,-1070 h100 r90
  text "3.400" at 3450,-1070 h100 r90
  text "3.400" at 1380,-1400 h100
  text "3.400" at 1380,-1400 h100

## Text inside footprints (layer, text, board x,y; h text height)
P2: Bottom Overlay "20" at 1520.5,779.6 h28 r270; Bottom Overlay "19" at 1190.5,724.6 h28 r270; Bottom Overlay "2" at 1580.5,284.6 h28; Bottom Overlay "1" at 1215.5,279.6 h28
P5: Top Overlay "1" at 575,1405 h28